# Altium PCB 4 Layers Motherboard.PcbDoc (part 3 of 3)
Units mm, origin at the board's own origin, x right, y up, seen from the top; angles counter-clockwise.
Board outline 83.25 x 83.25 mm, 4 copper layers (Top Layer, Int1 (GND), Int2 (PWR), Bottom Layer), stack 1.369 mm thick; 152 components, 130 nets, 654 pads, 220 vias.
Unrouted connection lines stored in the file: 86.
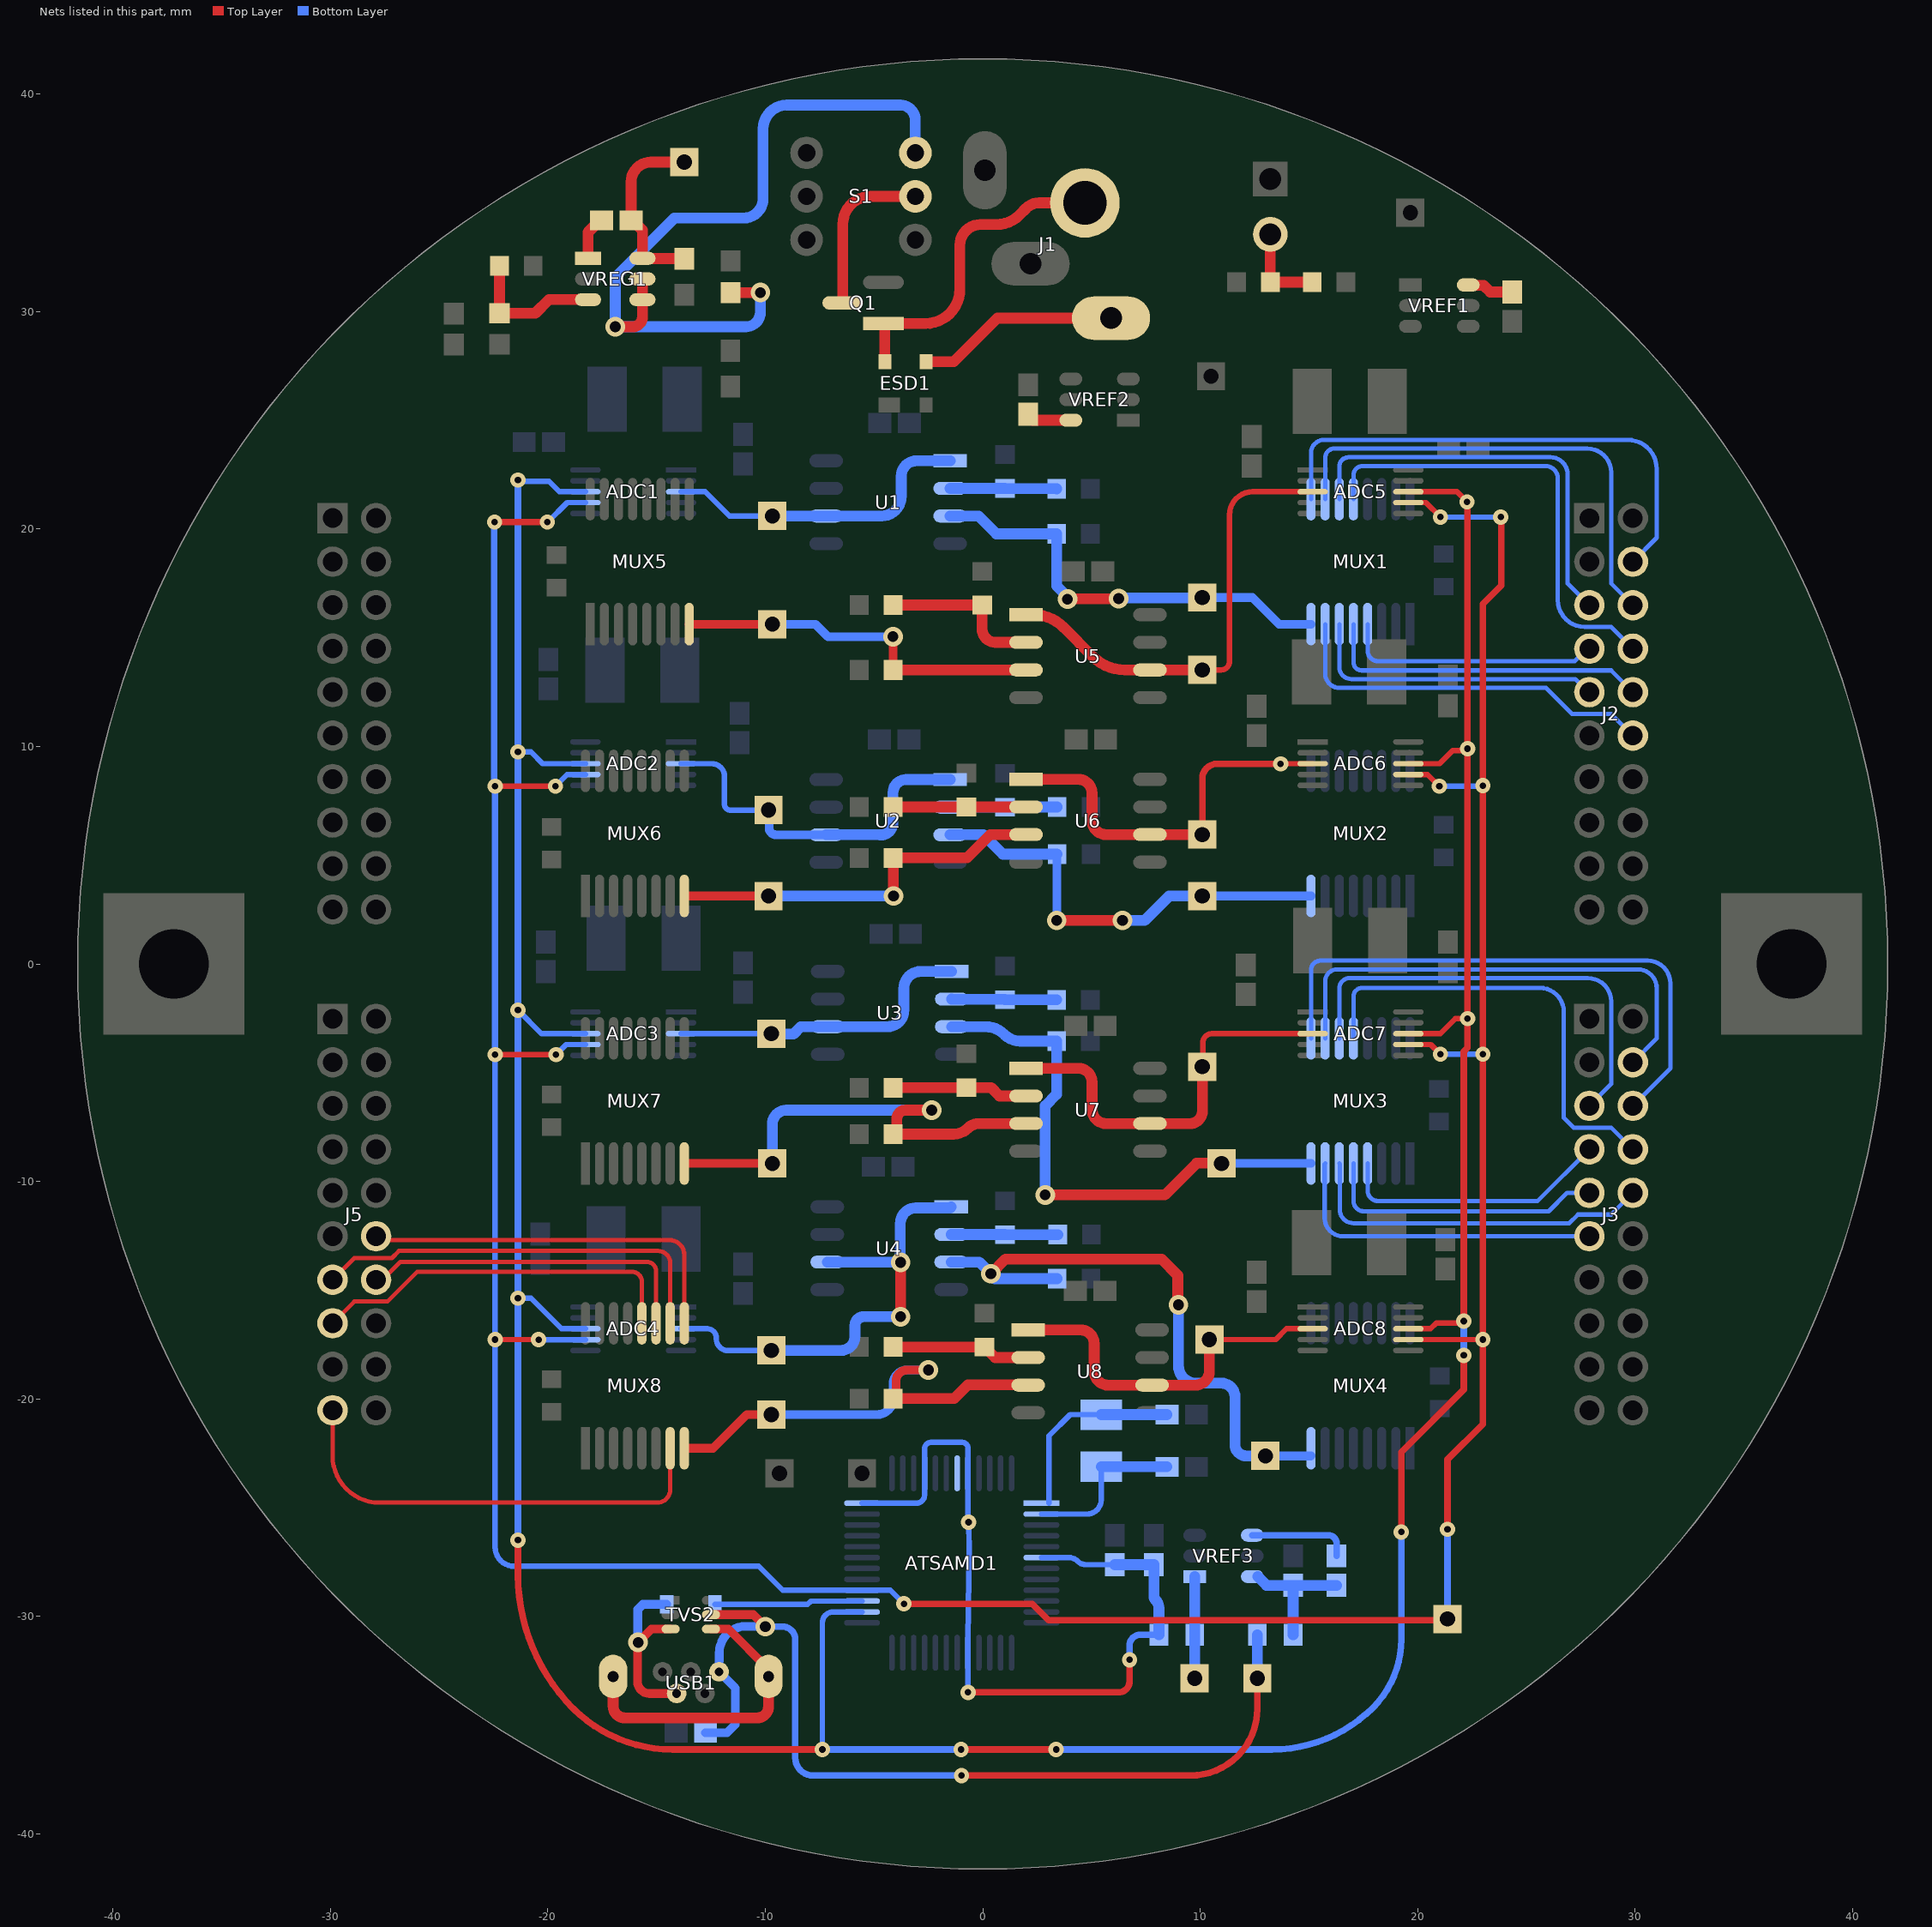
[diagram p5: the nets of this part, all layers, seen from the top]

## Via types
v1: diameter 0.7, hole 0.3, Top Layer to Bottom Layer, tented both sides, 147 vias
v2: diameter 0.9, hole 0.5, Top Layer to Bottom Layer, tented both sides, 73 vias

## Nets (pads, with @x,y where several pads share a name; then routed paths per layer and width w, separated by ;. In a path a pad name is that pad's centre, name@x,y a point inside that pad or via, vN(x,y) a via of type N, cw(c..) or ccw(c..) an arc to the next point about the centre after c; other vN are vias at no path point) (continued)
I4: J5.10 MUX8.7 | length 21.1
  Top Layer w0.2: J5.10@-29.9,-20.525 -29.9,-22.62 ccw(c-27.745,-22.62) -27.745,-24.775 -14.975,-24.775 ccw(c-14.975,-24.175) -14.375,-24.175 MUX8.7@-14.375,-22.275
I5: J5.8 MUX8.12 | length 17.4
  Top Layer w0.2: J5.8@-29.9,-16.525 -28.9,-15.525 -27.375,-15.525 -26,-14.15 -16.15,-14.15 cw(c-16.15,-14.625) -15.675,-14.625 MUX8.12@-15.675,-16.525
I6: J5.14 MUX8.11 | length 15.6
  Top Layer w0.2: J5.14@-27.607,-14.525 -26.783,-13.7 -15.45,-13.7 cw(c-15.45,-14.125) -15.025,-14.125 MUX8.11@-15.025,-16.525
I7: J5.7 MUX8.10 | length 19.2
  Top Layer w0.2: J5.7@-29.9,-14.525 -28.9,-13.525 -27.5,-13.525 ; -27.5,-13.525 -27.174,-13.525 -26.849,-13.2 -14.925,-13.2 cw(c-14.925,-13.75) -14.375,-13.75 MUX8.10@-14.375,-16.525
I8: J5.15 MUX8.9 | length 17.5
  Top Layer w0.2: J5.15@-27.658,-12.525 -27.483,-12.7 -14.4,-12.7 cw(c-14.4,-13.375) -13.725,-13.375 MUX8.9@-13.725,-16.525
MISO: ADC1.7 ADC2.7 ADC3.7 ADC4.7 ADC5.7 ADC6.7 ADC7.7 ADC8.7 ATSAMD1.28 TP22.1 | length 176.6
  Top Layer w0.25: v1@-22.424,-17.276 v1(-20.427,-17.277) ; v1(-22.425,-4.175) v1(-19.625,-4.175) ; v1(-22.425,8.175) v1(-19.65,8.175) ; ADC8.7@19.575,-17.275 v1(23,-17.275) ; ADC7.7@19.575,-3.706 20.606,-3.706 v1(21.05,-4.15) ; ADC6.7@19.575,8.711 20.464,8.711 v1(21,8.175) ; ADC5.7@19.575,21.216 20.384,21.216 v1(21.05,20.55)
  Top Layer w0.3: v1(-22.45,20.325) v1(-20.025,20.325) ; v1(-3.625,-29.425) 2.275,-29.425 3.025,-30.175 TP22.1@21.325,-30.175 ; v1(21.375,-26) 21.375,-22.787 23,-21.162 v1(23,-17.275) v1(23,-4.15) v1(23,8.2) 23,16.55 23.85,17.4 v1@23.85,20.525
  Bottom Layer w0.25: v1(-22.425,-4.175) v1(-22.425,-17.275) -22.425,-26.825 ccw(c-21.55,-26.825) -21.55,-27.7 -10.3,-27.7 -9.2,-28.8 ATSAMD1.28@-5.55,-28.8 ; v1(-20.427,-17.277) ADC4.7@-18.275,-17.277 ; v1@-20,20.325 -19.109,21.216 ADC1.7@-18.275,21.216 ; v1(-19.65,8.175) -19.114,8.711 ADC2.7@-18.275,8.711 ; v1(-19.625,-4.175) -19.156,-3.706 ADC3.7@-18.275,-3.706 ; ATSAMD1.28@-5.55,-28.8 -4.25,-28.8 v1(-3.625,-29.425) ; v1(21,8.175) v1@22.975,8.175 ; v1(21.05,-4.15) v1(23,-4.15) ; v1(21.05,20.55) v1(23.825,20.55)
  Bottom Layer w0.3: v1@-22.463,8.213 v1@-22.463,20.313 ; v1(-22.425,-4.175) v1(-22.425,8.175) ; TP22.1@21.375,-30.125 v1(21.375,-26)
NetADC1_3: ADC1.3 TP5.1 U1.1 U1.6 | length 14.7
  Bottom Layer w0.25: ADC1.3@-13.875,21.716 -12.766,21.716 -11.65,20.6 TP5.1@-9.675,20.6
  Bottom Layer w0.5: TP5.1@-9.675,20.6 U1.6@-7.2,20.6 -4.65,20.6 ccw(c-4.65,21.5) -3.75,21.5 -3.75,22.425 cw(c-3.035,22.425) -3.035,23.14 U1.1@-1.5,23.14
NetADC2_3: ADC2.3 TP7.1 U2.1 U2.6 | length 17.2
  Bottom Layer w0.25: ADC2.3@-13.875,9.211 -12.461,9.211 cw(c-12.461,8.625) -11.875,8.625 -11.875,7.325 ccw(c-11.625,7.325) -11.625,7.075 TP7.1@-9.85,7.075
  Bottom Layer w0.4: TP7.1@-9.825,7.05 -9.825,6.25 ccw(c-9.515,6.25) -9.515,5.94 U2.6@-7.2,5.94
  Bottom Layer w0.5: TP7.1@-9.85,7.075 cw(c-9.85,7.05) TP7.1@-9.825,7.05 ; U2.6@-7.2,5.94 -4.725,5.94 -4.725,5.925 -4.7,5.925 ccw(c-4.7,6.5) -4.125,6.5 -4.125,7.875 cw(c-3.52,7.875) -3.52,8.48 U2.1@-1.5,8.48
NetADC3_3: ADC3.3 TP9.1 U3.1 U3.6 | length 14.5
  Bottom Layer w0.25: ADC3.3@-13.875,-3.206 TP9.1@-9.725,-3.206
  Bottom Layer w0.5: TP9.1@-9.706,-3.225 -8.7,-3.225 -8.36,-2.885 U3.6@-7.125,-2.885 -4.385,-2.885 ccw(c-4.385,-2.125) -3.625,-2.125 -3.625,-1.125 cw(c-2.845,-1.125) -2.845,-0.345 U3.1@-1.425,-0.345
NetADC4_3: ADC4.3 TP11.1 U4.1 U4.6 | length 22.2
  Top Layer w0.5: v2(-3.775,-16.225) v2(-3.775,-13.725)
  Bottom Layer w0.25: ADC4.3@-13.875,-16.777 -12.673,-16.777 cw(c-12.673,-17.2) -12.25,-17.2 -12.25,-17.25 ccw(c-11.723,-17.25) -11.723,-17.777 -9.727,-17.777 TP11.1@-9.725,-17.775
  Bottom Layer w0.5: TP11.1@-9.723,-17.773 -6.523,-17.773 ccw(c-6.523,-17.125) -5.875,-17.125 -5.875,-16.625 cw(c-5.475,-16.625) -5.475,-16.225 v2(-3.775,-16.225) ; U4.6@-7.143,-13.717 v2@-3.782,-13.717 ; v2@-3.79,-13.71 -3.79,-11.94 cw(c-3.07,-11.94) -3.07,-11.22 -1.5,-11.22 U4.1@-1.45,-11.17
NetADC5_3: ADC5.3 TP13.1 U5.1 U5.6 | length 21.3
  Top Layer w0.25: TP13.1@10.1,13.52 10.957,13.52 ccw(c10.957,13.912) 11.35,13.912 11.35,20.65 cw(c12.416,20.65) 12.416,21.716 ADC5.3@15.175,21.716
  Top Layer w0.5: U5.1@2.313,16.06 cw(c2.313,14.063) 3.725,15.475 5.075,14.125 ccw(c6.536,15.586) 6.536,13.52 U5.6@7.692,13.52 TP13.1@10.1,13.52
NetADC6_3: ADC6.3 TP15.1 U6.1 U6.6 | length 18.1
  Top Layer w0.25: v1@13.711,9.211 ADC6.3@15.175,9.211
  Top Layer w0.3: TP15.1@10.1,5.95 10.1,8.525 cw(c10.775,8.525) 10.775,9.2 v1(13.7,9.2)
  Top Layer w0.5: U6.1@1.992,8.49 4.4,8.49 cw(c4.4,7.865) 5.025,7.865 5.025,6.595 ccw(c5.67,6.595) 5.67,5.95 U6.6@7.692,5.95 TP15.1@10.1,5.95
NetADC7_3: ADC7.3 TP17.1 U7.1 U7.6 | length 18.8
  Top Layer w0.25: TP17.1@10.125,-4.7 10.125,-3.625 cw(c10.544,-3.625) 10.544,-3.206 ADC7.3@15.175,-3.206
  Top Layer w0.5: U7.1@1.992,-4.8 4.4,-4.8 cw(c4.4,-5.425) 5.025,-5.425 5.025,-6.695 ccw(c5.67,-6.695) 5.67,-7.34 U7.6@7.692,-7.34 9.535,-7.34 ccw(c9.535,-6.775) 10.1,-6.775 TP17.1@10.1,-4.725
NetADC8_3: ADC8.3 TP19.1 U8.1 U8.6 | length 17.1
  Top Layer w0.25: TP19.1@10.425,-17.275 13.475,-17.275 13.975,-16.775 ADC8.3@15.175,-16.775
  Top Layer w0.5: U8.1@2.092,-16.83 4.5,-16.83 cw(c4.5,-17.455) 5.125,-17.455 5.125,-18.725 ccw(c5.77,-18.725) 5.77,-19.37 U8.6@7.792,-19.37 9.78,-19.37 ccw(c9.78,-18.725) 10.425,-18.725 TP19.1@10.425,-17.275
NetC1_1: C1.1 VREF1.6 | length 2.1
  Top Layer w0.5: VREF1.6@22.344,31.206 23.036,31.206 23.342,30.9 C1.1@24.348,30.9
NetC2_2: C2.2 S1.1 VREG1.4 VREG1.5 | length 36
  Top Layer w0.5: v2(-16.9,29.3) -16.1,29.3 ccw(c-16.1,29.75) -15.65,29.75 VREG1.4@-15.65,30.55 VREG1.5@-15.65,31.5 ; C2.2@-11.6,30.873 v2@-10.226,30.874
  Bottom Layer w0.5: v2(-10.225,30.875) -10.225,29.975 cw(c-10.9,29.975) -10.9,29.3 v2(-16.9,29.3) -16.9,31.575 -14.175,34.3 -11,34.3 ccw(c-11,35.2) -10.1,35.2 -10.1,38.4 cw(c-9,38.4) -9,39.5 -3.8,39.5 cw(c-3.8,38.8) -3.1,38.8 S1.1@-3.1,37.3
NetC3_1: C3.1 L1.1 TP3.1 VREG1.6 | length 8.6
  Top Layer w0.5: C3.1@-16.173,34.2 -16.173,35.952 cw(c-15.25,35.952) -15.25,36.875 TP3.1@-13.725,36.875 ; C3.1@-16.1,34.2 -15.65,33.75 VREG1.6@-15.65,32.45 -15.638,32.438 L1.1@-13.737,32.438
NetC3_2: C3.2 VREG1.1 | length 2
  Top Layer w0.5: VREG1.1@-18.15,32.45 -18.15,33.65 C3.2@-17.6,34.2
NetC5_1: C5.1 VREF2.6 | length 1.8
  Top Layer w0.5: C5.1@2.289,25.002 VREF2.6@4.05,25.002
NetC46_2: C46.2 VREF3.4 | length 4.7
  Bottom Layer w0.3: VREF3.4@12.4,-26.273 VREF3.4@12.4,-26.273 15.9,-26.275 cw(c15.9,-26.65) 16.275,-26.65 C46.2@16.275,-27.223
NetC50_2: C50.2 FB2.1 TP21.1 TVS2.5 USB1.1 | length 44.7
  Top Layer w0.3: v1(-0.975,-37.325) 9.553,-37.325 ccw(c9.553,-34.248) 12.63,-34.248 TP21.1@12.63,-32.85
  Top Layer w0.4: TVS2.5@-12.498,-29.925 -10.55,-29.925 v2(-10,-30.475)
  Bottom Layer w0.3: v2(-10,-30.475) -9.211,-30.475 cw(c-9.211,-31.061) -8.625,-31.061 -8.625,-36.5 ccw(c-7.8,-36.5) -7.8,-37.325 v1(-0.975,-37.325)
  Bottom Layer w0.4: C50.2@-12.748,-35.35 -11.75,-35.35 -11.375,-34.975 -11.375,-33.3 USB1.1@-12.125,-32.55 -12.115,-31.681 ccw(c-12.515,-31.676) -12.115,-31.675 cw(c-10.908,-31.67) -10.874,-30.464 ccw(c-10.865,-30.065) -10.87,-30.465 v2(-10,-30.475)
  Bottom Layer w0.5: TP21.1@12.63,-32.85 FB2.1@12.63,-30.85
NetD1_1: D1.1 TVS2.3 USB1.4 | length 8.6
  Top Layer w0.4: v2@-15.875,-31.225 -15.875,-33 ccw(c-15.325,-33) -15.325,-33.55 USB1.4@-14.075,-33.55 ; v2(-15.85,-31.2) -15.235,-30.585 TVS2.3@-14.352,-30.585
  Bottom Layer w0.4: v2@-15.865,-31.185 -15.865,-29.684 -15.63,-29.45 D1.1@-14.537,-29.45
NetESD1_3: ESD1.3 J1.2 | length 9.3
  Top Layer w0.5: ESD1.3@-2.6,27.7 -1.325,27.7 0.675,29.7 J1.2@5.9,29.7
NetESD1_4: ESD1.4 J1.1 Q1.1 | length 14.8
  Top Layer w0.5: Q1.1@-4.565,29.45 Q1.1@-4.556,29.45 ; ESD1.4@-4.5,27.7 -4.5,29.394 Q1.1@-4.556,29.45 ; J1.1@4.7,35 2.6,35 ccw(c2.6,34.155) 2.003,34.753 1.692,34.442 cw(c0.625,35.509) 0.625,34 -0.1,34 ccw(c-0.1,33.05) -1.05,33.05 -1.05,31.035 cw(c-2.635,31.035) -2.635,29.45 Q1.1@-4.556,29.45
NetFB1_2: FB1.2 TP20.1 VREF3.1 | length 4.7
  Bottom Layer w0.5: TP20.1@9.75,-32.85 FB1.2@9.75,-30.85 VREF3.1@9.75,-28.173
NetJ3_3: J3.3 MUX3.11 | length 20.9
  Bottom Layer w0.2: MUX3.11@16.4,-3.425 16.4,-1.125 cw(c16.875,-1.125) 16.875,-0.65 27.826,-0.65 cw(c27.826,-1.724) 28.9,-1.724 28.9,-5.525 J3.3@27.9,-6.525
NetJ3_4: J3.4 MUX3.4 | length 12.7
  Bottom Layer w0.2: MUX3.4@17.7,-9.175 17.7,-10.425 ccw(c18.175,-10.425) 18.175,-10.9 25.525,-10.9 J3.4@27.9,-8.525
NetJ3_5: J3.5 MUX3.5 | length 13.2
  Bottom Layer w0.2: MUX3.5@17.05,-9.175 17.05,-10.9 ccw(c17.525,-10.9) 17.525,-11.375 26.025,-11.375 26.875,-10.525 J3.5@27.9,-10.525
NetJ3_6: J3.6 MUX3.7 | length 15.2
  Bottom Layer w0.2: MUX3.7@15.75,-9.175 15.725,-9.2 15.725,-11.675 ccw(c16.575,-11.675) 16.575,-12.525 J3.6@27.9,-12.525
NetJ3_16: J3.16 MUX3.6 | length 16.5
  Bottom Layer w0.2: MUX3.6@16.4,-9.175 16.425,-9.2 16.425,-11.3 ccw(c17.05,-11.3) 17.05,-11.925 26.975,-11.925 27.375,-11.525 28.9,-11.525 J3.16@29.9,-10.525
NetJ3_17: J3.17 MUX3.12 | length 21.1
  Bottom Layer w0.2: MUX3.12@17.05,-3.425 17.05,-1.5 cw(c17.45,-1.5) 17.45,-1.1 25.617,-1.1 cw(c25.617,-2.208) 26.725,-2.208 26.725,-7.075 27.175,-7.525 28.9,-7.525 J3.17@29.9,-8.525
NetJ3_18: J3.18 MUX3.9 | length 26.9
  Bottom Layer w0.2: MUX3.9@15.1,-3.425 15.1,-0.275 cw(c15.525,-0.275) 15.525,0.15 30.58,0.15 cw(c30.58,-0.895) 31.625,-0.895 31.625,-4.8 J3.18@29.9,-6.525
NetJ3_19: J3.19 MUX3.10 | length 22.5
  Bottom Layer w0.2: MUX3.10@15.75,-3.425 15.75,-0.8 cw(c16.3,-0.8) 16.3,-0.25 30.125,-0.25 cw(c30.125,-1.125) 31,-1.125 31,-3.425 J3.19@29.9,-4.525
NetLED1_2: LED1.2 R1.2 R2.2 | length 4.1
  Top Layer w0.5: LED1.2@13.227,33.55 R1.2@13.227,31.35 R2.2@15.15,31.35
NetMUX1_8: MUX1.8 R7.2 TP4.1 U1.3 | length 20
  Top Layer w0.5: v2@3.912,16.788 v2@6.238,16.788
  Bottom Layer w0.4: TP4.1@10.1,16.85 12.4,16.85 13.626,15.624 MUX1.8@15.1,15.624
  Bottom Layer w0.5: U1.3@-1.5,20.6 -0.2,20.6 0.625,19.775 R7.2@3.398,19.775 3.398,17.385 v2@3.9,16.883 ; v2@6.275,16.825 TP4.1@10.075,16.825
  other v2: 3.9,16.775 6.25,16.8
NetMUX2_8: MUX2.8 R10.2 TP6.1 U2.3 | length 20.5
  Top Layer w0.5: v2(3.4,2) v2(6.425,2)
  Bottom Layer w0.4: v2(3.4,2) 3.412,2.012 R10.2@3.412,5.038 ; TP6.1@10.1,3.125 MUX2.8@15.1,3.125
  Bottom Layer w0.5: U2.3@-1.5,5.94 0.035,5.94 0.925,5.05 R10.2@3.412,5.05 ; v2(6.425,2) 7.45,2 8.575,3.125 TP6.1@10.1,3.125
NetMUX3_8: MUX3.8 R13.2 TP8.1 U3.3 | length 25.1
  Top Layer w0.5: v2(2.875,-10.625) 8.375,-10.625 9.837,-9.163 TP8.1@10.975,-9.163
  Bottom Layer w0.4: TP8.1@10.987,-9.175 MUX3.8@15.1,-9.175
  Bottom Layer w0.5: U3.3@-1.425,-2.885 0.119,-2.885 cw(c0.119,-4.131) 1,-3.25 ccw(c1.724,-2.526) 1.724,-3.55 R13.2@3.398,-3.55 3.398,-6.002 2.875,-6.525 v2(2.875,-10.625)
NetMUX4_8: MUX4.8 R16.2 TP10.1 U4.3 | length 28
  Top Layer w0.5: v2(0.375,-14.25) 1.051,-13.574 8.224,-13.574 8.975,-14.325 8.975,-15.65 v2(9,-15.675)
  Bottom Layer w0.4: TP10.1@13,-22.625 15.09,-22.625 MUX4.8@15.1,-22.615
  Bottom Layer w0.5: U4.3@-1.45,-13.71 -0.165,-13.71 v2(0.375,-14.25) ccw(c0.6,-14.25) 0.6,-14.475 R16.2@3.423,-14.475 ; v2(9,-15.675) 9,-18.475 ccw(c9.805,-18.475) 9.805,-19.28 10.98,-19.28 cw(c10.98,-19.9) 11.6,-19.9 11.6,-22.1 ccw(c12.125,-22.1) 12.125,-22.625 TP10.1@13,-22.625
NetMUX5_8: MUX5.8 R19.2 TP12.1 U5.3 | length 17.3
  Top Layer w0.4: MUX5.8@-13.5,15.623 TP12.1@-9.675,15.623 ; R19.2@-4.124,13.521 v2(-4.125,15.05)
  Top Layer w0.5: R19.2@-4.123,13.52 U5.3@1.992,13.52
  Bottom Layer w0.4: TP12.1@-9.675,15.623 -7.698,15.623 -7.125,15.05 v2(-4.125,15.05)
NetMUX6_8: MUX6.8 R22.2 TP14.1 U6.3 | length 17.9
  Top Layer w0.4: MUX6.8@-13.725,3.125 TP14.1@-9.85,3.125
  Top Layer w0.5: v2(-4.1,3.125) -4.112,3.137 -4.112,4.863 R22.2@-4.123,4.875 -0.725,4.875 0.35,5.95 U6.3@1.992,5.95
  Bottom Layer w0.5: TP14.1@-9.85,3.125 v2(-4.1,3.125)
NetMUX7_8: MUX7.8 R25.2 TP16.1 U7.3 | length 22.4
  Top Layer w0.4: MUX7.8@-13.725,-9.175 TP16.1@-9.675,-9.175
  Top Layer w0.5: v2(-2.35,-6.725) -3.551,-6.725 ccw(c-3.551,-7.125) -3.951,-7.125 -3.951,-7.653 R25.2@-4.123,-7.825 -1.339,-7.825 ccw(c-1.339,-6.886) -0.675,-7.55 cw(c-0.168,-8.057) -0.168,-7.34 U7.3@1.992,-7.34
  Bottom Layer w0.5: TP16.1@-9.675,-9.175 -9.675,-7.375 cw(c-9.025,-7.375) -9.025,-6.725 v2(-2.35,-6.725)
NetMUX8_8: MUX8.8 R28.2 TP18.1 U8.3 | length 22.4
  Top Layer w0.4: MUX8.8@-13.725,-22.275 -12.4,-22.275 -10.85,-20.725 TP18.1@-9.725,-20.725 ; R28.2@-4.123,-19.99 -3.99,-19.856 -3.99,-19.19 cw(c-3.475,-19.19) -3.475,-18.675 v2(-2.5,-18.675)
  Top Layer w0.5: R28.2@-4.123,-19.99 -1.315,-19.99 -0.685,-19.36 U8.3@2.082,-19.36
  Bottom Layer w0.4: TP18.1@-9.725,-20.725 -4.858,-20.725 ccw(c-4.858,-19.99) -4.123,-19.99 -4.123,-19.323 cw(c-3.475,-19.323) -3.475,-18.675 v2(-2.5,-18.675)
NetQ1_3: Q1.3 S1.2 | length 7.7
  Top Layer w0.5: Q1.3@-6.435,30.4 -6.435,34.015 cw(c-5.15,34.015) -5.15,35.3 S1.2@-3.1,35.3
NetR3_1: R3.1 R4.1 VREG1.3 | length 6.5
  Top Layer w0.5: R3.1@-22.225,32.1 R4.1@-22.225,29.923 -20.577,29.923 -19.95,30.55 VREG1.3@-18.15,30.55
NetR5_2: R5.2 R6.1 U1.2 | length 4.9
  Bottom Layer w0.5: U1.2@-1.5,21.87 R6.1@1.025,21.87 1.035,21.86 3.388,21.86 R5.2@3.398,21.85
NetR8_2: R8.2 R9.1 U2.2 | length 4.9
  Bottom Layer w0.5: U2.2@-1.5,7.21 R9.1@1.025,7.21 ; R9.1@1.03,7.215 R8.2@3.418,7.215
NetR11_2: R11.2 R12.1 U3.2 | length 4.8
  Bottom Layer w0.5: U3.2@-1.425,-1.615 -1.408,-1.632 1.008,-1.632 R12.1@1.025,-1.65 R11.2@3.398,-1.65
NetR14_2: R14.2 R15.1 U4.2 | length 4.9
  Bottom Layer w0.5: U4.2@-1.445,-12.445 1.02,-12.445 R15.1@1.025,-12.45 R14.2@3.448,-12.45
NetR17_2: R17.2 R18.1 U5.2 | length 7.6
  Top Layer w0.5: R17.2@-4.123,16.502 R18.1@-0.025,16.502 -0.025,15.4 ccw(c0.585,15.4) 0.585,14.79 U5.2@1.992,14.79
NetR20_2: R20.2 R21.1 U6.2 | length 6.1
  Top Layer w0.5: R20.2@-4.123,7.22 R21.1@-0.75,7.22 U6.2@1.992,7.22
NetR23_2: R23.2 R24.1 U7.2 | length 6.3
  Top Layer w0.5: R23.2@-4.118,-5.694 R24.1@-0.756,-5.694 ; R24.1@-0.75,-5.688 0.388,-5.688 0.77,-6.07 U7.2@1.992,-6.07
NetR26_2: R26.2 R27.1 U8.2 | length 6.1
  Top Layer w0.5: R26.2@-4.125,-17.615 R27.1@0.075,-17.615 ; R27.1@0.281,-17.807 0.574,-18.1 U8.2@2.092,-18.1
NetTVS2_4: TVS2.4 USB1.6 USB1.7 | length 13.9
  Top Layer w0.4: TVS2.4@-12.497,-30.587 -11.696,-30.587 USB1.6@-9.868,-32.415
  Top Layer w0.5: USB1.7@-17,-32.77 -17,-34.125 ccw(c-16.45,-34.125) -16.45,-34.675 -14.8,-34.675 -10.375,-34.675 ccw(c-10.375,-34.15) -9.85,-34.15 USB1.6@-9.85,-32.77
SCLK: ADC1.8 ADC2.8 ADC3.8 ADC4.8 ADC5.8 ADC6.8 ADC7.8 ADC8.8 ATSAMD1.26 | length 185.2
  Top Layer w0.25: ADC8.8@19.575,-16.775 20.6,-16.775 20.864,-16.511 22.039,-16.511 v1(22.125,-16.425) ; ADC7.8@19.575,-3.206 21.044,-3.206 21.733,-2.517 v1(22.3,-2.517) ; ADC6.8@19.575,9.211 21.011,9.211 21.614,9.814 v1@22.214,9.814 ; ADC5.8@19.575,21.716 21.809,21.716 v1(22.275,21.25)
  Top Layer w0.3: v1(-21.375,-26.5) -21.375,-28.115 ccw(c-12.581,-28.064) -18.846,-34.235 ccw(c-14.278,-29.658) -14.27,-36.125 v1(-7.375,-36.125) ; v1(-1,-36.125) v1(3.375,-36.125) ; v1(19.25,-26.125) 19.25,-22.45 22.125,-19.575 v1(22.125,-18) ; v1(22.125,-16.425) 22.125,-4.035 22.3,-3.86 v1(22.3,-2.517) v1(22.3,9.9) ; v1@22.287,9.913 v1@22.287,21.238
  Bottom Layer w0.25: v1(-21.375,-15.375) -20.775,-15.375 -19.373,-16.777 ADC4.8@-18.275,-16.777 ; v1(-21.375,-2.125) -20.294,-3.206 ADC3.8@-18.275,-3.206 ; v1(-21.375,9.75) -20.775,9.75 -20.236,9.211 ADC2.8@-18.275,9.211 ; v1@-21.325,22.2 -19.95,22.2 -19.466,21.716 ADC1.8@-18.275,21.716 ; v1(-7.375,-36.125) -7.375,-30.297 cw(c-6.879,-30.297) -6.879,-29.8 ATSAMD1.26@-5.55,-29.8
  Bottom Layer w0.3: v1(-21.375,-26.5) v1(-21.375,-15.375) v1(-21.375,-2.125) v1(-21.375,9.75) v1(-21.375,22.25) ; v1(-7.375,-36.125) v1(-1,-36.125) ; v1(3.375,-36.125) 13.298,-36.125 13.3,-36.125 ccw(c13.303,-29.553) 17.949,-34.202 ccw(c14.812,-31.062) 19.25,-31.062 v1(19.25,-26.125) ; v1(22.125,-18) v1(22.125,-16.425)
USBID: ATSAMD1.27 D1.2 | length 6.8
  Bottom Layer w0.25: D1.2@-12.313,-29.45 -8.05,-29.45 -7.9,-29.3 ATSAMD1.27@-5.55,-29.3
VBUS: C46.1 C49.2 FB2.2 VREF3.6 | length 6.1
  Bottom Layer w0.5: VREF3.6@12.652,-28.173 13.056,-28.577 C49.2@14.275,-28.577 ; FB2.2@14.275,-30.85 C49.2@14.275,-28.577 ; C46.1@16.275,-28.577 C49.2@14.275,-28.577
VDDCORE: ATSAMD1.43
VDDIN: ATSAMD1.6 ATSAMD1.17 ATSAMD1.36 ATSAMD1.40 ATSAMD1.44 C47.2 C48.1 FB1.1 | length 38.3
  Top Layer w0.3: v1(-0.675,-33.5) 6.247,-33.5 ccw(c6.247,-32.997) 6.75,-32.997 v1(6.75,-32)
  Bottom Layer w0.25: ATSAMD1.36@-5.55,-24.8 -3.05,-24.8 ccw(c-3.05,-24.425) -2.675,-24.425 ATSAMD1.40@-2.675,-23.425 ; ATSAMD1.40@-2.675,-23.425 -2.675,-22.3 cw(c-2.375,-22.3) -2.375,-22 -0.95,-22 cw(c-0.95,-22.275) -0.675,-22.275 ATSAMD1.44@-0.675,-23.425 v1@-0.675,-25.65 ; v1(-0.675,-33.5) ATSAMD1.17@-0.675,-31.675 -0.675,-31.057 cw(c-0.425,-31.057) -0.675,-31.055 -0.625,-26.813 ccw(c-1.75,-26.8) -0.625,-26.775 v1(-0.65,-25.675) ; ATSAMD1.6@2.7,-27.3 3.953,-27.3 cw(c3.953,-27.897) 4.375,-27.475 ccw(c4.742,-27.108) 4.742,-27.627 C48.1@6.075,-27.627
  Bottom Layer w0.3: v1(6.75,-32) 6.75,-31.35 cw(c7.25,-31.35) 7.25,-30.85 FB1.1@8.105,-30.85
  Bottom Layer w0.5: C48.1@6.075,-27.627 C47.2@7.875,-27.627 7.875,-29.069 ccw(c8.131,-29.069) 7.95,-29.25 cw(c7.577,-29.623) 8.105,-29.623 FB1.1@8.105,-30.85
X1: J2.4 MUX1.4 | length 11.9
  Bottom Layer w0.2: MUX1.4@17.7,15.624 17.7,14.4 ccw(c18.175,14.4) 18.175,13.925 27.224,13.925 27.797,14.498 J2.4@27.9,14.498
X2: J2.16 MUX1.5 | length 15.2
  Bottom Layer w0.2: MUX1.5@17.05,15.624 17.05,13.875 ccw(c17.427,13.875) 17.427,13.498 28.9,13.498 J2.16@29.9,12.498
X3: J2.5 MUX1.6 | length 14
  Bottom Layer w0.2: MUX1.6@16.4,15.624 16.4,13.65 ccw(c16.952,13.65) 16.952,13.098 27.251,13.098 27.851,12.498 J2.5@27.9,12.498
X4: J2.15 MUX1.7 | length 17.7
  Bottom Layer w0.2: MUX1.7@15.75,15.624 15.75,13.35 ccw(c16.402,13.35) 16.402,12.698 25.902,12.698 27.102,11.498 28.314,11.498 28.9,11.498 J2.15@29.9,10.498
X5: J2.17 MUX1.12 | length 21.2
  Bottom Layer w0.2: MUX1.12@17.05,21.374 17.05,22.475 cw(c17.475,22.475) 17.475,22.9 25.875,22.9 cw(c25.875,22.325) 26.45,22.325 26.45,16.731 ccw(c27.683,16.731) 27.683,15.498 28.314,15.498 28.9,15.498 J2.17@29.9,14.498
X6: J2.3 MUX1.11 | length 19.1
  Bottom Layer w0.2: MUX1.11@16.4,21.374 16.4,22.875 cw(c16.825,22.875) 16.825,23.3 26.111,23.3 cw(c26.111,22.511) 26.9,22.511 26.9,17.498 J2.3@27.9,16.498
X7: J2.18 MUX1.10 | length 22.4
  Bottom Layer w0.2: MUX1.10@15.75,21.374 15.75,23.275 cw(c16.175,23.275) 16.175,23.7 27.807,23.7 cw(c27.807,22.607) 28.9,22.607 28.9,17.498 J2.18@29.9,16.498
X8: J2.19 MUX1.9 | length 23.9
  Bottom Layer w0.2: MUX1.9@15.1,21.374 15.1,23.5 cw(c15.7,23.5) 15.7,24.1 29.662,24.1 cw(c29.662,22.762) 31,22.762 31,19.598 J2.19@29.9,18.498
XIN32: ATSAMD1.1 C51.2 Y1.2 | length 8.9
  Bottom Layer w0.25: ATSAMD1.1@3.049,-24.8 3.05,-24.799 3.05,-21.7 4.025,-20.725 Y1.2@5.45,-20.725
  Bottom Layer w0.5: Y1.2@5.45,-20.725 C51.2@8.473,-20.725
XOUT32: ATSAMD1.2 C52.2 Y1.1 | length 7.7
  Bottom Layer w0.25: ATSAMD1.2@2.7,-25.3 4.79,-25.3 ccw(c4.79,-24.64) 5.45,-24.64 Y1.1@5.45,-23.125
  Bottom Layer w0.5: Y1.1@5.45,-23.125 C52.2@8.473,-23.125
pads on no net: ATSAMD1.3 ATSAMD1.4 ATSAMD1.7 ATSAMD1.8 ATSAMD1.9 ATSAMD1.10 ATSAMD1.11 ATSAMD1.12 ATSAMD1.21 ATSAMD1.22 ATSAMD1.23 ATSAMD1.24 ATSAMD1.37 ATSAMD1.39 ATSAMD1.41 ATSAMD1.45 ATSAMD1.46 ATSAMD1.47 ATSAMD1.48 MUX1.3 MUX2.3 MUX3.3 MUX4.3 MUX5.3 MUX6.3 MUX7.3 MUX8.3 S1.4 S1.5 S1.6

## Polygon pours and split planes (outlines as drawn)
+5 on Int2 (PWR) "+5V" (solid, remove dead copper, pour order 45): -41.625,0 ccw(c0,0) 0,-41.625 ccw(c0,0) 41.625,0 ccw(c0,0) 0,41.625 ccw(c0,0)
+1.8 on Int2 (PWR) "+1.8V-2" (solid, remove dead copper, pour order 43): 9,28.5 12,28.5 12,-17 9,-17
+1.8 on Int2 (PWR) "+1.8V-1" (solid, remove dead copper, pour order 42): -11,28.5 -8,28.5 -8,-17 -11,-17
+3.3 on Int2 (PWR) "+3.3V-2" (solid, remove dead copper, pour order 44): 12,28.5 18,28.5 18,-17 12,-17
+3.3 on Int2 (PWR) "+3.3V-1" (solid, remove dead copper, pour order 40): -17,28.5 -11,28.5 -11,-17 -17,-17
DGND on Int1 (GND) "DGND" (solid, remove dead copper, pour order 47): -41.625,0 ccw(c0,0) 0,-41.625 ccw(c0,0) 41.625,0 ccw(c0,0) 0,41.625 ccw(c0,0)
AGND on Int1 (GND) "AGND" (solid, remove dead copper, pour order 46): 17.987,26 -16,26 -16,-20.5 17.987,-20.5

## Keep-outs
Keep-Out Layer:
  the board outline again, w0.2

## Other copper
Top Layer:
  pour cut-out: -40.65,3.45 -33.75,3.45 -33.8,3.5 -33.8,6.2 -40.6,6.2
  text "1" at -39.946,4.054 h1.52
Int1 (GND):
  pour cut-out: -40.65,3.45 -33.75,3.45 -33.8,3.5 -33.8,6.2 -40.6,6.2
  text "2" at -38.746,4.054 h1.52
Int2 (PWR):
  pour cut-out: -40.65,3.45 -33.75,3.45 -33.8,3.5 -33.8,6.2 -40.6,6.2
  text "3" at -36.946,4.054 h1.52
Bottom Layer:
  text "4" at -35.246,4.054 h1.52

## Silkscreen, mask and mechanical layers (free items; w line width, h text height)
Top Overlay:
  lines w0.2: 11.225,-11.75 11.725,-11.75 12.6,-12.625 12.6,-13.162 ; 12.275,8.225 12.65,8.6 12.65,9.5 ; 21,28.45 21.35,28.1 22.35,28.1 22.95,27.5
  text "LED1" at 11.415,33.51 h1 r90
  text "Yes No Toaster" at 31.3,18.2 h2 r270
  text "GND↓ ↓" at -31.5,12.7 h2.5 r90
  text "GND↓ ↓" at 26.5,12.7 h2.5 r90
  text "4 Layers" at -35.875,7.425 h2 r90
  text "GPH-3110 Équipe III" at 31.3,-3.5 h2 r270
  text "g" at -38.337,-5.8 h2
  text "g" at 36.063,-5.8 h2
  text "ULaval" at 34.5,-8.9 h2 r270
  text "GND↓ ↓" at 26.5,-9.3 h2.5 r90
  text "GND↓ ↓" at -31.3,-9.5 h2.5 r90
  text "03/2023" at -3.25,-39.775 h2
Bottom Overlay:
  lines w0.2: -11,25.2 -10.725,25.475 -10.7,25.5 -8.125,25.5 ; -8.25,2.025 -6.325,2.025 -6.325,2.023 -5.677,1.375 ; 6.95,-29.375 7.425,-29.375 7.875,-28.925 7.875,-28.6 7.875,-28.413 ; 8.5,-32 8.5,-32.6 8.2,-32.9 ; 11.05,-28.925 11.05,-29.375 11.4,-29.725 15.375,-29.725 15.425,-29.725 17,-31.3 ; 8.2,-32.9 8.2,-32.9
  text "↓ ↓GND" at -31,21 h2.5 r90
  text "↓ ↓GND" at 27,21 h2.5 r90
  text "Yes No Toaster" at 31,4 h2 r270
  text "↓ ↓GND" at -31,-2 h2.5 r90
  text "↓ ↓GND" at 27,-2 h2.5 r90
  text "g" at -36.263,-5.8 h2
  text "g" at 38.137,-5.8 h2
  text "ULaval" at 34,-14.7 h2 r270
  text "GPH-3110 Équipe III" at 31,-21 h2 r270
  text "03/2023" at 3.325,-39.925 h2
Mechanical 1:
  circle w0.2: c0,0 r41.625
Drill Drawing:
  circle w0.254: c51.056,-14.848 r0.847
  lines w0.254: 50.209,-19.505 50.209,-19.082 50.633,-18.658 50.209,-18.235 50.209,-17.812 50.633,-17.812 51.056,-18.235 51.479,-17.812 51.903,-17.812 51.903,-18.235 51.479,-18.658 51.903,-19.082 51.903,-19.505 51.479,-19.505 51.056,-19.082 50.633,-19.505 50.209,-19.505 ; 50.209,-11.462 50.633,-11.462 51.056,-11.885 51.479,-11.462 51.903,-11.462 51.479,-11.038 51.903,-10.615 51.479,-10.615 51.056,-10.192 50.633,-10.615 50.209,-10.615 50.633,-11.038 50.209,-11.462 ; 50.209,-8.075 51.903,-8.075 51.903,-6.382 50.209,-6.382 50.209,-8.075 ; 50.209,-3.842 50.633,-3.842 50.633,-4.265 51.479,-4.265 51.479,-3.842 51.903,-3.842 51.903,-2.995 51.479,-2.995 51.479,-2.572 50.633,-2.572 50.633,-2.995 50.209,-2.995 50.209,-3.842 ; 50.209,1.238 51.903,1.238 51.056,-0.455 50.209,1.238 ; 50.209,3.355 51.056,3.778 51.903,3.355 51.479,4.202 51.903,5.048 51.056,4.625 50.209,5.048 50.633,4.202 50.209,3.355 ; 50.209,8.012 51.056,7.165 51.903,8.012 51.056,8.858 50.209,8.012 ; 50.209,12.668 51.903,12.668 51.056,10.975 50.209,12.668 ; 50.209,14.785 51.056,15.208 51.903,14.785 51.479,15.632 51.903,16.478 51.056,16.055 50.209,16.478 50.633,15.632 50.209,14.785 ; 50.209,18.595 51.903,18.595 51.903,20.288 50.209,20.288 50.209,18.595 ; 50.209,22.828 50.633,22.828 51.056,22.405 51.479,22.828 51.903,22.828 51.479,23.252 51.903,23.675 51.479,23.675 51.056,24.098 50.633,23.675 50.209,23.675 50.633,23.252 50.209,22.828 ; 50.548,-11.292 50.802,-11.292 51.056,-11.546 51.31,-11.292 51.564,-11.292 51.31,-11.038 51.564,-10.784 51.31,-10.784 51.056,-10.53 50.802,-10.784 50.548,-10.784 50.802,-11.038 50.548,-11.292 ; 50.548,-7.736 51.564,-7.736 51.564,-6.72 50.548,-6.72 50.548,-7.736 ; 50.548,0.9 51.564,0.9 51.056,-0.116 50.548,0.9 ; 50.548,3.694 51.056,3.948 51.564,3.694 51.31,4.202 51.564,4.71 51.056,4.456 50.548,4.71 50.802,4.202 50.548,3.694
  lines w0.381: 48.69,-20.648 397.893,-20.648 ; 48.69,25.072 397.893,25.072 ; 62.683,-24.458 62.683,28.882 ; 77.919,-24.458 77.919,28.882 ; 107.628,-24.458 107.628,28.882 ; 120.477,-24.458 120.477,28.882 ; 139.116,-24.458 139.116,28.882 ; 177.204,-24.458 177.204,28.882 ; 192.187,-24.458 192.187,28.882 ; 211.13,-24.458 211.13,28.882 ; 243.378,-24.458 243.378,28.882 ; 265.064,-24.458 265.064,28.882 ; 298.938,-24.458 298.938,28.882 ; 332.811,-24.458 332.811,28.882 ; 362.267,-24.458 362.267,28.882 ; 48.69,-24.458 397.893,-24.458 397.893,28.882 48.69,28.882 48.69,-24.458
  text "Symbol" at 50.976,26.215 h1.83
  text "Count" at 63.826,26.215 h1.83
  text "Hole Size" at 79.062,26.215 h1.83
  text "Plated" at 108.771,26.215 h1.83
  text "Hole Type" at 121.62,26.215 h1.83
  text "Drill Layer Pair" at 140.259,26.215 h1.83
  text "Via/Pad" at 178.347,26.215 h1.83
  text "Pad Shape" at 193.33,26.215 h1.83
  text "Template" at 212.273,26.215 h1.83
  text "Description" at 244.521,26.215 h1.83
  text "Hole Tolerance (+)" at 266.207,26.215 h1.83
  text "Hole Tolerance (-)" at 300.081,26.215 h1.83
  text "Hole Length" at 333.954,26.215 h1.83
  text "Routed Path Length" at 363.41,26.215 h1.83
  text "1" at 63.826,22.405 h1.52
  text "1,000mm (39,37mil)" at 79.062,22.405 h1.52
  text "PTH" at 108.771,22.405 h1.52
  text "Slot" at 121.62,22.405 h1.52
  text "Top Layer - Bottom Layer" at 140.259,22.405 h1.52
  text "Pad" at 178.347,22.405 h1.52
  text "Rounded" at 193.33,22.405 h1.52
  text "r360_200h100_250r100" at 212.273,22.405 h1.52
  text "2,500mm (98,43mil)" at 333.954,22.405 h1.52
  text "1,500mm (59,06mil)" at 363.41,22.405 h1.52
  text "1" at 63.826,18.595 h1.52
  text "2,000mm (78,74mil)" at 79.062,18.595 h1.52
  text "PTH" at 108.771,18.595 h1.52
  text "Round" at 121.62,18.595 h1.52
  text "Top Layer - Bottom Layer" at 140.259,18.595 h1.52
  text "Pad" at 178.347,18.595 h1.52
  text "Rounded" at 193.33,18.595 h1.52
  text "c320h200" at 212.273,18.595 h1.52
  text "-" at 333.954,18.595 h1.52
  text "-" at 363.41,18.595 h1.52
  text "2" at 63.826,14.785 h1.52
  text "0,500mm (19,69mil)" at 79.062,14.785 h1.52
  text "PTH" at 108.771,14.785 h1.52
  text "Slot" at 121.62,14.785 h1.52
  text "Top Layer - Bottom Layer" at 140.259,14.785 h1.52
  text "Pad" at 178.347,14.785 h1.52
  text "Rounded" at 193.33,14.785 h1.52
  text "r200_130h50_135r100" at 212.273,14.785 h1.52
  text "1,350mm (53,15mil)" at 333.954,14.785 h1.52
  text "0,850mm (33,47mil)" at 363.41,14.785 h1.52
  text "2" at 63.826,10.975 h1.52
  text "1,000mm (39,37mil)" at 79.062,10.975 h1.52
  text "PTH" at 108.771,10.975 h1.52
  text "Round" at 121.62,10.975 h1.52
  text "Top Layer - Bottom Layer" at 140.259,10.975 h1.52
  text "Pad" at 178.347,10.975 h1.52
  text "(Mixed)" at 193.33,10.975 h1.52
  text "(Mixed)" at 212.273,10.975 h1.52
  text "-" at 333.954,10.975 h1.52
  text "-" at 363.41,10.975 h1.52
  text "2" at 63.826,7.165 h1.52
  text "1,000mm (39,37mil)" at 79.062,7.165 h1.52
  text "PTH" at 108.771,7.165 h1.52
  text "Slot" at 121.62,7.165 h1.52
  text "Top Layer - Bottom Layer" at 140.259,7.165 h1.52
  text "Pad" at 178.347,7.165 h1.52
  text "Rounded" at 193.33,7.165 h1.52
  text "r360_200h100_280r100" at 212.273,7.165 h1.52
  text "2,800mm (110,24mil)" at 333.954,7.165 h1.52
  text "1,800mm (70,87mil)" at 363.41,7.165 h1.52
  text "2" at 63.826,3.355 h1.52
  text "3,200mm (125,98mil)" at 79.062,3.355 h1.52
  text "PTH" at 108.771,3.355 h1.52
  text "Round" at 121.62,3.355 h1.52
  text "Top Layer - Bottom Layer" at 140.259,3.355 h1.52
  text "Pad" at 178.347,3.355 h1.52
  text "Rectangle" at 193.33,3.355 h1.52
  text "s650h320" at 212.273,3.355 h1.52
  text "-" at 333.954,3.355 h1.52
  text "-" at 363.41,3.355 h1.52
  text "5" at 63.826,-0.455 h1.52
  text "0,400mm (15,75mil)" at 79.062,-0.455 h1.52
  text "PTH" at 108.771,-0.455 h1.52
  text "Round" at 121.62,-0.455 h1.52
  text "Top Layer - Bottom Layer" at 140.259,-0.455 h1.52
  text "Pad" at 178.347,-0.455 h1.52
  text "Rounded" at 193.33,-0.455 h1.52
  text "c90h40" at 212.273,-0.455 h1.52
  text "-" at 333.954,-0.455 h1.52
  text "-" at 363.41,-0.455 h1.52
  text "6" at 63.826,-4.265 h1.52
  text "0,800mm (31,50mil)" at 79.062,-4.265 h1.52
  text "PTH" at 108.771,-4.265 h1.52
  text "Round" at 121.62,-4.265 h1.52
  text "Top Layer - Bottom Layer" at 140.259,-4.265 h1.52
  text "Pad" at 178.347,-4.265 h1.52
  text "Rounded" at 193.33,-4.265 h1.52
  text "c150h80" at 212.273,-4.265 h1.52
  text "-" at 333.954,-4.265 h1.52
  text "-" at 363.41,-4.265 h1.52
  text "24" at 63.826,-8.075 h1.52
  text "0,700mm (27,56mil)" at 79.062,-8.075 h1.52
  text "PTH" at 108.771,-8.075 h1.52
  text "Round" at 121.62,-8.075 h1.52
  text "Top Layer - Bottom Layer" at 140.259,-8.075 h1.52
  text "Pad" at 178.347,-8.075 h1.52
  text "Rectangle" at 193.33,-8.075 h1.52
  text "s130h70" at 212.273,-8.075 h1.52
  text "-" at 333.954,-8.075 h1.52
  text "-" at 363.41,-8.075 h1.52
  text "73" at 63.826,-11.885 h1.52
  text "0,500mm (19,69mil)" at 79.062,-11.885 h1.52
  text "PTH" at 108.771,-11.885 h1.52
  text "Round" at 121.62,-11.885 h1.52
  text "Top Layer - Bottom Layer" at 140.259,-11.885 h1.52
  text "Via" at 178.347,-11.885 h1.52
  text "Rounded" at 193.33,-11.885 h1.52
  text "v90h50m0mx0" at 212.273,-11.885 h1.52
  text "-" at 333.954,-11.885 h1.52
  text "-" at 363.41,-11.885 h1.52
  text "80" at 63.826,-15.695 h1.52
  text "0,900mm (35,43mil)" at 79.062,-15.695 h1.52
  text "PTH" at 108.771,-15.695 h1.52
  text "Round" at 121.62,-15.695 h1.52
  text "Top Layer - Bottom Layer" at 140.259,-15.695 h1.52
  text "Pad" at 178.347,-15.695 h1.52
  text "(Mixed)" at 193.33,-15.695 h1.52
  text "(Mixed)" at 212.273,-15.695 h1.52
  text "-" at 333.954,-15.695 h1.52
  text "-" at 363.41,-15.695 h1.52
  text "147" at 63.826,-19.505 h1.52
  text "0,300mm (11,81mil)" at 79.062,-19.505 h1.52
  text "PTH" at 108.771,-19.505 h1.52
  text "Round" at 121.62,-19.505 h1.52
  text "Top Layer - Bottom Layer" at 140.259,-19.505 h1.52
  text "Via" at 178.347,-19.505 h1.52
  text "Rounded" at 193.33,-19.505 h1.52
  text "v70h30m0mx0" at 212.273,-19.505 h1.52
  text "-" at 333.954,-19.505 h1.52
  text "-" at 363.41,-19.505 h1.52
  text "345 Total" at 63.826,-23.315 h1.52
  text "Slot definitions :" at 50.976,-26.997 h1.52
  text "Routed Path Length" at 77.207,-26.997 h1.52
  text "= Calculated from tool start centre position to tool end centre position." at 105.215,-26.997 h1.52
  text "Hole Length" at 77.207,-29.537 h1.52
  text "= Routed Path Length + Tool Size = Slot length as defined in the PCB layout" at 94.804,-29.537 h1.52

## Text inside footprints (layer, text, board x,y; h text height)
LED1: Mechanical 15 "K" at 11.957,37.36 h0.76 r270